# Altium PCB PM12_CFD.PcbDoc (part 9 of 12) (continued)
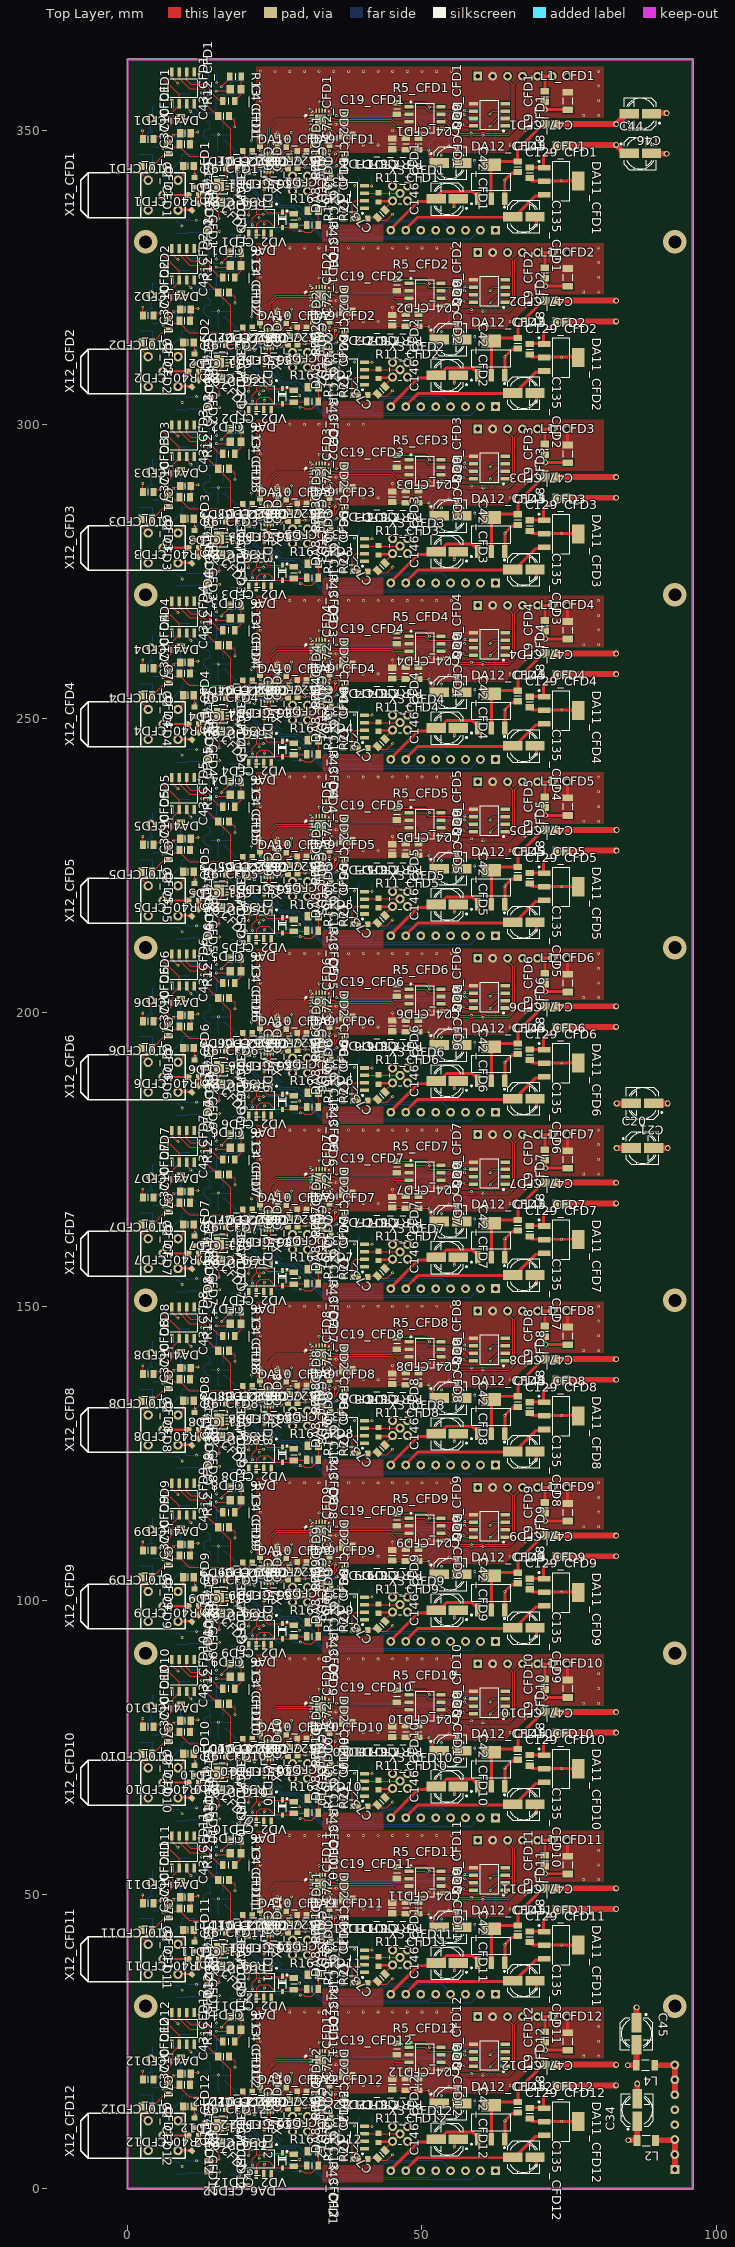
[diagram p0: Top Layer view]
## Nets (pads, with @x,y where several pads share a name; then routed paths per layer and width w, separated by ;. In a path a pad name is that pad's centre, name@x,y a point inside that pad or via, vN(x,y) a via of type N, cw(c..) or ccw(c..) an arc to the next point about the centre after c; other vN are vias at no path point) (continued)
  Bottom Layer w0.2: R1_CFD12.2@8.13,2.5 10.03,2.5 C41_CFD12.2@10.191,2.661 ; C41_CFD12.2@10.23,2.7 C41_CFD12.2@10.191,2.661 ; DA1_CFD12.2@13.45,2.6 12.5,2.6 12.5,2.661 C41_CFD12.2@10.191,2.661
NetC129_CFD1_2: C129_CFD1.2 DA11_CFD1.1 L8_CFD1.2 | length 6.9
  Top Layer w0.5: C129_CFD1.2@68.393,343.7 70.67,343.7 70.67,345.57 L8_CFD1.2@72.6,347.5
NetC129_CFD2_2: C129_CFD2.2 DA11_CFD2.1 L8_CFD2.2 | length 6.9
  Top Layer w0.5: C129_CFD2.2@68.423,313.7 70.7,313.7 70.7,315.57 L8_CFD2.2@72.63,317.5
NetC129_CFD3_2: C129_CFD3.2 DA11_CFD3.1 L8_CFD3.2 | length 6.9
  Top Layer w0.5: C129_CFD3.2@68.423,283.7 70.7,283.7 70.7,285.57 L8_CFD3.2@72.63,287.5
NetC129_CFD4_2: C129_CFD4.2 DA11_CFD4.1 L8_CFD4.2 | length 6.9
  Top Layer w0.5: C129_CFD4.2@68.423,253.7 70.7,253.7 70.7,255.57 L8_CFD4.2@72.63,257.5
NetC129_CFD5_2: C129_CFD5.2 DA11_CFD5.1 L8_CFD5.2 | length 6.9
  Top Layer w0.5: C129_CFD5.2@68.423,223.7 70.7,223.7 70.7,225.57 L8_CFD5.2@72.63,227.5
NetC129_CFD6_2: C129_CFD6.2 DA11_CFD6.1 L8_CFD6.2 | length 6.9
  Top Layer w0.5: C129_CFD6.2@68.423,193.7 70.7,193.7 70.7,195.57 L8_CFD6.2@72.63,197.5
NetC129_CFD7_2: C129_CFD7.2 DA11_CFD7.1 L8_CFD7.2 | length 6.9
  Top Layer w0.5: C129_CFD7.2@68.423,163.7 70.7,163.7 70.7,165.57 L8_CFD7.2@72.63,167.5
NetC129_CFD8_2: C129_CFD8.2 DA11_CFD8.1 L8_CFD8.2 | length 6.9
  Top Layer w0.5: C129_CFD8.2@68.423,133.7 70.7,133.7 70.7,135.57 L8_CFD8.2@72.63,137.5
NetC129_CFD9_2: C129_CFD9.2 DA11_CFD9.1 L8_CFD9.2 | length 6.9
  Top Layer w0.5: C129_CFD9.2@68.423,103.7 70.7,103.7 70.7,105.57 L8_CFD9.2@72.63,107.5
NetC129_CFD10_2: C129_CFD10.2 DA11_CFD10.1 L8_CFD10.2 | length 6.9
  Top Layer w0.5: C129_CFD10.2@68.423,73.7 70.7,73.7 70.7,75.57 L8_CFD10.2@72.63,77.5
NetC129_CFD11_2: C129_CFD11.2 DA11_CFD11.1 L8_CFD11.2 | length 6.9
  Top Layer w0.5: C129_CFD11.2@68.423,43.7 70.7,43.7 70.7,45.57 L8_CFD11.2@72.63,47.5
NetC129_CFD12_2: C129_CFD12.2 DA11_CFD12.1 L8_CFD12.2 | length 6.9
  Top Layer w0.5: C129_CFD12.2@68.423,13.7 70.7,13.7 70.7,15.57 L8_CFD12.2@72.63,17.5
NetC145_CFD1_2: C145_CFD1.2 DA12_CFD1.2 DA12_CFD1.4 L9_CFD1.2 | length 18.9
  Top Layer w0.5: DA12_CFD1.2@61.77,338.4 61.77,344.7 66.27,344.7 66.27,346.7 L9_CFD1.2@70.6,351.03
NetC145_CFD2_2: C145_CFD2.2 DA12_CFD2.2 DA12_CFD2.4 L9_CFD2.2 | length 18.9
  Top Layer w0.5: DA12_CFD2.2@61.8,308.4 61.8,314.7 66.3,314.7 66.3,316.7 L9_CFD2.2@70.63,321.03
NetC145_CFD3_2: C145_CFD3.2 DA12_CFD3.2 DA12_CFD3.4 L9_CFD3.2 | length 18.9
  Top Layer w0.5: DA12_CFD3.2@61.8,278.4 61.8,284.7 66.3,284.7 66.3,286.7 L9_CFD3.2@70.63,291.03
NetC145_CFD4_2: C145_CFD4.2 DA12_CFD4.2 DA12_CFD4.4 L9_CFD4.2 | length 18.9
  Top Layer w0.5: DA12_CFD4.2@61.8,248.4 61.8,254.7 66.3,254.7 66.3,256.7 L9_CFD4.2@70.63,261.03
NetC145_CFD5_2: C145_CFD5.2 DA12_CFD5.2 DA12_CFD5.4 L9_CFD5.2 | length 18.9
  Top Layer w0.5: DA12_CFD5.2@61.8,218.4 61.8,224.7 66.3,224.7 66.3,226.7 L9_CFD5.2@70.63,231.03
NetC145_CFD6_2: C145_CFD6.2 DA12_CFD6.2 DA12_CFD6.4 L9_CFD6.2 | length 18.9
  Top Layer w0.5: DA12_CFD6.2@61.8,188.4 61.8,194.7 66.3,194.7 66.3,196.7 L9_CFD6.2@70.63,201.03
NetC145_CFD7_2: C145_CFD7.2 DA12_CFD7.2 DA12_CFD7.4 L9_CFD7.2 | length 18.9
  Top Layer w0.5: DA12_CFD7.2@61.8,158.4 61.8,164.7 66.3,164.7 66.3,166.7 L9_CFD7.2@70.63,171.03
NetC145_CFD8_2: C145_CFD8.2 DA12_CFD8.2 DA12_CFD8.4 L9_CFD8.2 | length 18.9
  Top Layer w0.5: DA12_CFD8.2@61.8,128.4 61.8,134.7 66.3,134.7 66.3,136.7 L9_CFD8.2@70.63,141.03
NetC145_CFD9_2: C145_CFD9.2 DA12_CFD9.2 DA12_CFD9.4 L9_CFD9.2 | length 18.9
  Top Layer w0.5: DA12_CFD9.2@61.8,98.4 61.8,104.7 66.3,104.7 66.3,106.7 L9_CFD9.2@70.63,111.03
NetC145_CFD10_2: C145_CFD10.2 DA12_CFD10.2 DA12_CFD10.4 L9_CFD10.2 | length 18.9
  Top Layer w0.5: DA12_CFD10.2@61.8,68.4 61.8,74.7 66.3,74.7 66.3,76.7 L9_CFD10.2@70.63,81.03
NetC145_CFD11_2: C145_CFD11.2 DA12_CFD11.2 DA12_CFD11.4 L9_CFD11.2 | length 18.9
  Top Layer w0.5: DA12_CFD11.2@61.8,38.4 61.8,44.7 66.3,44.7 66.3,46.7 L9_CFD11.2@70.63,51.03
NetC145_CFD12_2: C145_CFD12.2 DA12_CFD12.2 DA12_CFD12.4 L9_CFD12.2 | length 18.9
  Top Layer w0.5: DA12_CFD12.2@61.8,8.4 61.8,14.7 66.3,14.7 66.3,16.7 L9_CFD12.2@70.63,21.03
NetDA2_CFD1_8: DA2_CFD1.8 R8_CFD1.1 R50_CFD1.2 | length 7.5
  Bottom Layer w0.15: R50_CFD1.2@5.97,342.05 R50_CFD1.2@6.12,342.05
  Bottom Layer w0.2: R50_CFD1.2@6.12,342.05 9.17,345.1 9.17,345.9 R8_CFD1.1@11.37,345.9
NetDA2_CFD2_8: DA2_CFD2.8 R8_CFD2.1 R50_CFD2.2 | length 7.5
  Bottom Layer w0.15: R50_CFD2.2@6,312.05 R50_CFD2.2@6.15,312.05
  Bottom Layer w0.2: R50_CFD2.2@6.15,312.05 9.2,315.1 9.2,315.9 R8_CFD2.1@11.4,315.9
NetDA2_CFD3_8: DA2_CFD3.8 R8_CFD3.1 R50_CFD3.2 | length 7.5
  Bottom Layer w0.15: R50_CFD3.2@6,282.05 R50_CFD3.2@6.15,282.05
  Bottom Layer w0.2: R50_CFD3.2@6.15,282.05 9.2,285.1 9.2,285.9 R8_CFD3.1@11.4,285.9
NetDA2_CFD4_8: DA2_CFD4.8 R8_CFD4.1 R50_CFD4.2 | length 7.5
  Bottom Layer w0.15: R50_CFD4.2@6,252.05 R50_CFD4.2@6.15,252.05
  Bottom Layer w0.2: R50_CFD4.2@6.15,252.05 9.2,255.1 9.2,255.9 R8_CFD4.1@11.4,255.9
NetDA2_CFD5_8: DA2_CFD5.8 R8_CFD5.1 R50_CFD5.2 | length 7.5
  Bottom Layer w0.15: R50_CFD5.2@6,222.05 R50_CFD5.2@6.15,222.05
  Bottom Layer w0.2: R50_CFD5.2@6.15,222.05 9.2,225.1 9.2,225.9 R8_CFD5.1@11.4,225.9
NetDA2_CFD6_8: DA2_CFD6.8 R8_CFD6.1 R50_CFD6.2 | length 7.5
  Bottom Layer w0.15: R50_CFD6.2@6,192.05 R50_CFD6.2@6.15,192.05
  Bottom Layer w0.2: R50_CFD6.2@6.15,192.05 9.2,195.1 9.2,195.9 R8_CFD6.1@11.4,195.9
NetDA2_CFD7_8: DA2_CFD7.8 R8_CFD7.1 R50_CFD7.2 | length 7.5
  Bottom Layer w0.15: R50_CFD7.2@6,162.05 R50_CFD7.2@6.15,162.05
  Bottom Layer w0.2: R50_CFD7.2@6.15,162.05 9.2,165.1 9.2,165.9 R8_CFD7.1@11.4,165.9
NetDA2_CFD8_8: DA2_CFD8.8 R8_CFD8.1 R50_CFD8.2 | length 7.5
  Bottom Layer w0.15: R50_CFD8.2@6,132.05 R50_CFD8.2@6.15,132.05
  Bottom Layer w0.2: R50_CFD8.2@6.15,132.05 9.2,135.1 9.2,135.9 R8_CFD8.1@11.4,135.9
NetDA2_CFD9_8: DA2_CFD9.8 R8_CFD9.1 R50_CFD9.2 | length 7.5
  Bottom Layer w0.15: R50_CFD9.2@6,102.05 R50_CFD9.2@6.15,102.05
  Bottom Layer w0.2: R50_CFD9.2@6.15,102.05 9.2,105.1 9.2,105.9 R8_CFD9.1@11.4,105.9
NetDA2_CFD10_8: DA2_CFD10.8 R8_CFD10.1 R50_CFD10.2 | length 7.5
  Bottom Layer w0.15: R50_CFD10.2@6,72.05 R50_CFD10.2@6.15,72.05
  Bottom Layer w0.2: R50_CFD10.2@6.15,72.05 9.2,75.1 9.2,75.9 R8_CFD10.1@11.4,75.9
NetDA2_CFD11_8: DA2_CFD11.8 R8_CFD11.1 R50_CFD11.2 | length 7.5
  Bottom Layer w0.15: R50_CFD11.2@6,42.05 R50_CFD11.2@6.15,42.05
  Bottom Layer w0.2: R50_CFD11.2@6.15,42.05 9.2,45.1 9.2,45.9 R8_CFD11.1@11.4,45.9
NetDA2_CFD12_8: DA2_CFD12.8 R8_CFD12.1 R50_CFD12.2 | length 7.5
  Bottom Layer w0.15: R50_CFD12.2@6,12.05 R50_CFD12.2@6.15,12.05
  Bottom Layer w0.2: R50_CFD12.2@6.15,12.05 9.2,15.1 9.2,15.9 R8_CFD12.1@11.4,15.9
NetDA4_CFD1_6: DA4_CFD1.6 R10_CFD1.1 R15_CFD1.2 | length 15
  Top Layer w0.2: v1(5.57,358.6) 6.155,358.6 8.7,356.055 8.7,354.7 8.7,354.25 7.67,353.22 7.67,351.314 6.87,350.514 R10_CFD1.1@6.87,347.9
  Bottom Layer w0.2: v1(5.57,358.6) 6.07,358.6 R15_CFD1.2@7.056,357.614
NetDA4_CFD2_6: DA4_CFD2.6 R10_CFD2.1 R15_CFD2.2 | length 15
  Top Layer w0.2: v1(5.6,328.6) 6.185,328.6 8.73,326.055 8.73,324.7 8.73,324.25 7.7,323.22 7.7,321.314 6.9,320.514 R10_CFD2.1@6.9,317.9
  Bottom Layer w0.2: v1(5.6,328.6) 6.1,328.6 R15_CFD2.2@7.086,327.614
NetDA4_CFD3_6: DA4_CFD3.6 R10_CFD3.1 R15_CFD3.2 | length 15
  Top Layer w0.2: v1(5.6,298.6) 6.185,298.6 8.73,296.055 8.73,294.7 8.73,294.25 7.7,293.22 7.7,291.314 6.9,290.514 R10_CFD3.1@6.9,287.9
  Bottom Layer w0.2: v1(5.6,298.6) 6.1,298.6 R15_CFD3.2@7.086,297.614
NetDA4_CFD4_6: DA4_CFD4.6 R10_CFD4.1 R15_CFD4.2 | length 15
  Top Layer w0.2: v1(5.6,268.6) 6.185,268.6 8.73,266.055 8.73,264.7 8.73,264.25 7.7,263.22 7.7,261.314 6.9,260.514 R10_CFD4.1@6.9,257.9
  Bottom Layer w0.2: v1(5.6,268.6) 6.1,268.6 R15_CFD4.2@7.086,267.614
NetDA4_CFD5_6: DA4_CFD5.6 R10_CFD5.1 R15_CFD5.2 | length 15
  Top Layer w0.2: v1(5.6,238.6) 6.185,238.6 8.73,236.055 8.73,234.7 8.73,234.25 7.7,233.22 7.7,231.314 6.9,230.514 R10_CFD5.1@6.9,227.9
  Bottom Layer w0.2: v1(5.6,238.6) 6.1,238.6 R15_CFD5.2@7.086,237.614
NetDA4_CFD6_6: DA4_CFD6.6 R10_CFD6.1 R15_CFD6.2 | length 15
  Top Layer w0.2: v1(5.6,208.6) 6.185,208.6 8.73,206.055 8.73,204.7 8.73,204.25 7.7,203.22 7.7,201.314 6.9,200.514 R10_CFD6.1@6.9,197.9
  Bottom Layer w0.2: v1(5.6,208.6) 6.1,208.6 R15_CFD6.2@7.086,207.614
NetDA4_CFD7_6: DA4_CFD7.6 R10_CFD7.1 R15_CFD7.2 | length 15
  Top Layer w0.2: v1(5.6,178.6) 6.185,178.6 8.73,176.055 8.73,174.7 8.73,174.25 7.7,173.22 7.7,171.314 6.9,170.514 R10_CFD7.1@6.9,167.9
  Bottom Layer w0.2: v1(5.6,178.6) 6.1,178.6 R15_CFD7.2@7.086,177.614
NetDA4_CFD8_6: DA4_CFD8.6 R10_CFD8.1 R15_CFD8.2 | length 15
  Top Layer w0.2: v1(5.6,148.6) 6.185,148.6 8.73,146.055 8.73,144.7 8.73,144.25 7.7,143.22 7.7,141.314 6.9,140.514 R10_CFD8.1@6.9,137.9
  Bottom Layer w0.2: v1(5.6,148.6) 6.1,148.6 R15_CFD8.2@7.086,147.614
NetDA4_CFD9_6: DA4_CFD9.6 R10_CFD9.1 R15_CFD9.2 | length 15
  Top Layer w0.2: v1(5.6,118.6) 6.185,118.6 8.73,116.055 8.73,114.7 8.73,114.25 7.7,113.22 7.7,111.314 6.9,110.514 R10_CFD9.1@6.9,107.9
  Bottom Layer w0.2: v1(5.6,118.6) 6.1,118.6 R15_CFD9.2@7.086,117.614
NetDA4_CFD10_6: DA4_CFD10.6 R10_CFD10.1 R15_CFD10.2 | length 15
  Top Layer w0.2: v1(5.6,88.6) 6.185,88.6 8.73,86.055 8.73,84.7 8.73,84.25 7.7,83.22 7.7,81.314 6.9,80.514 R10_CFD10.1@6.9,77.9
  Bottom Layer w0.2: v1(5.6,88.6) 6.1,88.6 R15_CFD10.2@7.086,87.614
NetDA4_CFD11_6: DA4_CFD11.6 R10_CFD11.1 R15_CFD11.2 | length 15
  Top Layer w0.2: v1(5.6,58.6) 6.185,58.6 8.73,56.055 8.73,54.7 8.73,54.25 7.7,53.22 7.7,51.314 6.9,50.514 R10_CFD11.1@6.9,47.9
  Bottom Layer w0.2: v1(5.6,58.6) 6.1,58.6 R15_CFD11.2@7.086,57.614
NetDA4_CFD12_6: DA4_CFD12.6 R10_CFD12.1 R15_CFD12.2 | length 15
  Top Layer w0.2: v1(5.6,28.6) 6.185,28.6 8.73,26.055 8.73,24.7 8.73,24.25 7.7,23.22 7.7,21.314 6.9,20.514 R10_CFD12.1@6.9,17.9
  Bottom Layer w0.2: v1(5.6,28.6) 6.1,28.6 R15_CFD12.2@7.086,27.614
NetDA6_CFD1_2: DA6_CFD1.2 R16_CFD1.2 R39_CFD1.2 VD2_CFD1.1 | length 8.8
  Top Layer w0.2: R39_CFD1.2@23.17,340.05 23.17,336.5 23.27,336.4 23.29,336.4 23.69,336 26.295,336 27.97,336 R16_CFD1.2@28.17,335.8
NetDA6_CFD2_2: DA6_CFD2.2 R16_CFD2.2 R39_CFD2.2 VD2_CFD2.1 | length 8.8
  Top Layer w0.2: R39_CFD2.2@23.2,310.05 23.2,306.5 23.3,306.4 23.32,306.4 23.72,306 26.325,306 28,306 R16_CFD2.2@28.2,305.8
NetDA6_CFD3_2: DA6_CFD3.2 R16_CFD3.2 R39_CFD3.2 VD2_CFD3.1 | length 8.8
  Top Layer w0.2: R39_CFD3.2@23.2,280.05 23.2,276.5 23.3,276.4 23.32,276.4 23.72,276 26.325,276 28,276 R16_CFD3.2@28.2,275.8
NetDA6_CFD4_2: DA6_CFD4.2 R16_CFD4.2 R39_CFD4.2 VD2_CFD4.1 | length 8.8
  Top Layer w0.2: R39_CFD4.2@23.2,250.05 23.2,246.5 23.3,246.4 23.32,246.4 23.72,246 26.325,246 28,246 R16_CFD4.2@28.2,245.8
NetDA6_CFD5_2: DA6_CFD5.2 R16_CFD5.2 R39_CFD5.2 VD2_CFD5.1 | length 8.8
  Top Layer w0.2: R39_CFD5.2@23.2,220.05 23.2,216.5 23.3,216.4 23.32,216.4 23.72,216 26.325,216 28,216 R16_CFD5.2@28.2,215.8
NetDA6_CFD6_2: DA6_CFD6.2 R16_CFD6.2 R39_CFD6.2 VD2_CFD6.1 | length 8.8
  Top Layer w0.2: R39_CFD6.2@23.2,190.05 23.2,186.5 23.3,186.4 23.32,186.4 23.72,186 26.325,186 28,186 R16_CFD6.2@28.2,185.8
NetDA6_CFD7_2: DA6_CFD7.2 R16_CFD7.2 R39_CFD7.2 VD2_CFD7.1 | length 8.8
  Top Layer w0.2: R39_CFD7.2@23.2,160.05 23.2,156.5 23.3,156.4 23.32,156.4 23.72,156 26.325,156 28,156 R16_CFD7.2@28.2,155.8
NetDA6_CFD8_2: DA6_CFD8.2 R16_CFD8.2 R39_CFD8.2 VD2_CFD8.1 | length 8.8
  Top Layer w0.2: R39_CFD8.2@23.2,130.05 23.2,126.5 23.3,126.4 23.32,126.4 23.72,126 26.325,126 28,126 R16_CFD8.2@28.2,125.8
NetDA6_CFD9_2: DA6_CFD9.2 R16_CFD9.2 R39_CFD9.2 VD2_CFD9.1 | length 8.8
  Top Layer w0.2: R39_CFD9.2@23.2,100.05 23.2,96.5 23.3,96.4 23.32,96.4 23.72,96 26.325,96 28,96 R16_CFD9.2@28.2,95.8
NetDA6_CFD10_2: DA6_CFD10.2 R16_CFD10.2 R39_CFD10.2 VD2_CFD10.1 | length 8.8
  Top Layer w0.2: R39_CFD10.2@23.2,70.05 23.2,66.5 23.3,66.4 23.32,66.4 23.72,66 26.325,66 28,66 R16_CFD10.2@28.2,65.8
NetDA6_CFD11_2: DA6_CFD11.2 R16_CFD11.2 R39_CFD11.2 VD2_CFD11.1 | length 8.8
  Top Layer w0.2: R39_CFD11.2@23.2,40.05 23.2,36.5 23.3,36.4 23.32,36.4 23.72,36 26.325,36 28,36 R16_CFD11.2@28.2,35.8
NetDA6_CFD12_2: DA6_CFD12.2 R16_CFD12.2 R39_CFD12.2 VD2_CFD12.1 | length 8.8
  Top Layer w0.2: R39_CFD12.2@23.2,10.05 23.2,6.5 23.3,6.4 23.32,6.4 23.72,6 26.325,6 28,6 R16_CFD12.2@28.2,5.8
NetDA7_CFD1_2: DA7_CFD1.2 R6_CFD1.2 | length 1.2
  Top Layer w0.15: R6_CFD1.2@12.97,341.2 13.37,341.2 13.62,340.95 DA7_CFD1.2@14.07,340.95
NetDA7_CFD1_3: DA7_CFD1.3 R6_CFD1.1 R40_CFD1.2 | length 2.8
  Top Layer w0.15: R40_CFD1.2@11.37,340.3 12.97,340.3 13.37,340.3 13.52,340.45 DA7_CFD1.3@14.07,340.45
NetDA7_CFD1_4: DA7_CFD1.4 R2_CFD1.2 R4_CFD1.2 | length 4.1
  Top Layer w0.15: R2_CFD1.2@11.97,339 13.12,339 DA7_CFD1.4@14.07,339.95
  Top Layer w0.4: R4_CFD1.2@11.97,337.415 R2_CFD1.2@11.97,339
NetDA7_CFD2_2: DA7_CFD2.2 R6_CFD2.2 | length 1.2
  Top Layer w0.15: R6_CFD2.2@13,311.2 13.4,311.2 13.65,310.95 DA7_CFD2.2@14.1,310.95
NetDA7_CFD2_3: DA7_CFD2.3 R6_CFD2.1 R40_CFD2.2 | length 2.8
  Top Layer w0.15: R40_CFD2.2@11.4,310.3 13,310.3 13.4,310.3 13.55,310.45 DA7_CFD2.3@14.1,310.45
NetDA7_CFD2_4: DA7_CFD2.4 R2_CFD2.2 R4_CFD2.2 | length 4.1
  Top Layer w0.15: R2_CFD2.2@12,309 13.15,309 DA7_CFD2.4@14.1,309.95
  Top Layer w0.4: R4_CFD2.2@12,307.415 R2_CFD2.2@12,309
NetDA7_CFD3_2: DA7_CFD3.2 R6_CFD3.2 | length 1.2
  Top Layer w0.15: R6_CFD3.2@13,281.2 13.4,281.2 13.65,280.95 DA7_CFD3.2@14.1,280.95
NetDA7_CFD3_3: DA7_CFD3.3 R6_CFD3.1 R40_CFD3.2 | length 2.8
  Top Layer w0.15: R40_CFD3.2@11.4,280.3 13,280.3 13.4,280.3 13.55,280.45 DA7_CFD3.3@14.1,280.45
NetDA7_CFD3_4: DA7_CFD3.4 R2_CFD3.2 R4_CFD3.2 | length 4.1
  Top Layer w0.15: R2_CFD3.2@12,279 13.15,279 DA7_CFD3.4@14.1,279.95
  Top Layer w0.4: R4_CFD3.2@12,277.415 R2_CFD3.2@12,279
NetDA7_CFD4_2: DA7_CFD4.2 R6_CFD4.2 | length 1.2
  Top Layer w0.15: R6_CFD4.2@13,251.2 13.4,251.2 13.65,250.95 DA7_CFD4.2@14.1,250.95
NetDA7_CFD4_3: DA7_CFD4.3 R6_CFD4.1 R40_CFD4.2 | length 2.8
  Top Layer w0.15: R40_CFD4.2@11.4,250.3 13,250.3 13.4,250.3 13.55,250.45 DA7_CFD4.3@14.1,250.45
NetDA7_CFD4_4: DA7_CFD4.4 R2_CFD4.2 R4_CFD4.2 | length 4.1
  Top Layer w0.15: R2_CFD4.2@12,249 13.15,249 DA7_CFD4.4@14.1,249.95
  Top Layer w0.4: R4_CFD4.2@12,247.415 R2_CFD4.2@12,249
NetDA7_CFD5_2: DA7_CFD5.2 R6_CFD5.2 | length 1.2
  Top Layer w0.15: R6_CFD5.2@13,221.2 13.4,221.2 13.65,220.95 DA7_CFD5.2@14.1,220.95
NetDA7_CFD5_3: DA7_CFD5.3 R6_CFD5.1 R40_CFD5.2 | length 2.8
  Top Layer w0.15: R40_CFD5.2@11.4,220.3 13,220.3 13.4,220.3 13.55,220.45 DA7_CFD5.3@14.1,220.45
NetDA7_CFD5_4: DA7_CFD5.4 R2_CFD5.2 R4_CFD5.2 | length 4.1
  Top Layer w0.15: R2_CFD5.2@12,219 13.15,219 DA7_CFD5.4@14.1,219.95
  Top Layer w0.4: R4_CFD5.2@12,217.415 R2_CFD5.2@12,219
NetDA7_CFD6_2: DA7_CFD6.2 R6_CFD6.2 | length 1.2
  Top Layer w0.15: R6_CFD6.2@13,191.2 13.4,191.2 13.65,190.95 DA7_CFD6.2@14.1,190.95
NetDA7_CFD6_3: DA7_CFD6.3 R6_CFD6.1 R40_CFD6.2 | length 2.8
  Top Layer w0.15: R40_CFD6.2@11.4,190.3 13,190.3 13.4,190.3 13.55,190.45 DA7_CFD6.3@14.1,190.45
NetDA7_CFD6_4: DA7_CFD6.4 R2_CFD6.2 R4_CFD6.2 | length 4.1
  Top Layer w0.15: R2_CFD6.2@12,189 13.15,189 DA7_CFD6.4@14.1,189.95
  Top Layer w0.4: R4_CFD6.2@12,187.415 R2_CFD6.2@12,189
NetDA7_CFD7_2: DA7_CFD7.2 R6_CFD7.2 | length 1.2
  Top Layer w0.15: R6_CFD7.2@13,161.2 13.4,161.2 13.65,160.95 DA7_CFD7.2@14.1,160.95
NetDA7_CFD7_3: DA7_CFD7.3 R6_CFD7.1 R40_CFD7.2 | length 2.8
  Top Layer w0.15: R40_CFD7.2@11.4,160.3 13,160.3 13.4,160.3 13.55,160.45 DA7_CFD7.3@14.1,160.45
NetDA7_CFD7_4: DA7_CFD7.4 R2_CFD7.2 R4_CFD7.2 | length 4.1
  Top Layer w0.15: R2_CFD7.2@12,159 13.15,159 DA7_CFD7.4@14.1,159.95
  Top Layer w0.4: R4_CFD7.2@12,157.415 R2_CFD7.2@12,159
NetDA7_CFD8_2: DA7_CFD8.2 R6_CFD8.2 | length 1.2
  Top Layer w0.15: R6_CFD8.2@13,131.2 13.4,131.2 13.65,130.95 DA7_CFD8.2@14.1,130.95
NetDA7_CFD8_3: DA7_CFD8.3 R6_CFD8.1 R40_CFD8.2 | length 2.8
  Top Layer w0.15: R40_CFD8.2@11.4,130.3 13,130.3 13.4,130.3 13.55,130.45 DA7_CFD8.3@14.1,130.45
NetDA7_CFD8_4: DA7_CFD8.4 R2_CFD8.2 R4_CFD8.2 | length 4.1
  Top Layer w0.15: R2_CFD8.2@12,129 13.15,129 DA7_CFD8.4@14.1,129.95
  Top Layer w0.4: R4_CFD8.2@12,127.415 R2_CFD8.2@12,129
NetDA7_CFD9_2: DA7_CFD9.2 R6_CFD9.2 | length 1.2
  Top Layer w0.15: R6_CFD9.2@13,101.2 13.4,101.2 13.65,100.95 DA7_CFD9.2@14.1,100.95
NetDA7_CFD9_3: DA7_CFD9.3 R6_CFD9.1 R40_CFD9.2 | length 2.8
  Top Layer w0.15: R40_CFD9.2@11.4,100.3 13,100.3 13.4,100.3 13.55,100.45 DA7_CFD9.3@14.1,100.45
NetDA7_CFD9_4: DA7_CFD9.4 R2_CFD9.2 R4_CFD9.2 | length 4.1
  Top Layer w0.15: R2_CFD9.2@12,99 13.15,99 DA7_CFD9.4@14.1,99.95
  Top Layer w0.4: R4_CFD9.2@12,97.415 R2_CFD9.2@12,99
NetDA7_CFD10_2: DA7_CFD10.2 R6_CFD10.2 | length 1.2
  Top Layer w0.15: R6_CFD10.2@13,71.2 13.4,71.2 13.65,70.95 DA7_CFD10.2@14.1,70.95
NetDA7_CFD10_3: DA7_CFD10.3 R6_CFD10.1 R40_CFD10.2 | length 2.8
  Top Layer w0.15: R40_CFD10.2@11.4,70.3 13,70.3 13.4,70.3 13.55,70.45 DA7_CFD10.3@14.1,70.45
NetDA7_CFD10_4: DA7_CFD10.4 R2_CFD10.2 R4_CFD10.2 | length 4.1
  Top Layer w0.15: R2_CFD10.2@12,69 13.15,69 DA7_CFD10.4@14.1,69.95
  Top Layer w0.4: R4_CFD10.2@12,67.415 R2_CFD10.2@12,69
NetDA7_CFD11_2: DA7_CFD11.2 R6_CFD11.2 | length 1.2
  Top Layer w0.15: R6_CFD11.2@13,41.2 13.4,41.2 13.65,40.95 DA7_CFD11.2@14.1,40.95
NetDA7_CFD11_3: DA7_CFD11.3 R6_CFD11.1 R40_CFD11.2 | length 2.8
  Top Layer w0.15: R40_CFD11.2@11.4,40.3 13,40.3 13.4,40.3 13.55,40.45 DA7_CFD11.3@14.1,40.45
NetDA7_CFD11_4: DA7_CFD11.4 R2_CFD11.2 R4_CFD11.2 | length 4.1
  Top Layer w0.15: R2_CFD11.2@12,39 13.15,39 DA7_CFD11.4@14.1,39.95
  Top Layer w0.4: R4_CFD11.2@12,37.415 R2_CFD11.2@12,39
NetDA7_CFD12_2: DA7_CFD12.2 R6_CFD12.2 | length 1.2
  Top Layer w0.15: R6_CFD12.2@13,11.2 13.4,11.2 13.65,10.95 DA7_CFD12.2@14.1,10.95
NetDA7_CFD12_3: DA7_CFD12.3 R6_CFD12.1 R40_CFD12.2 | length 2.8
  Top Layer w0.15: R40_CFD12.2@11.4,10.3 13,10.3 13.4,10.3 13.55,10.45 DA7_CFD12.3@14.1,10.45
NetDA7_CFD12_4: DA7_CFD12.4 R2_CFD12.2 R4_CFD12.2 | length 4.1
  Top Layer w0.15: R2_CFD12.2@12,9 13.15,9 DA7_CFD12.4@14.1,9.95
  Top Layer w0.4: R4_CFD12.2@12,7.415 R2_CFD12.2@12,9
NetDA8_CFD1_2: DA8_CFD1.2 R19_CFD1.1 R21_CFD1.2 | length 5.6
  Top Layer w0.15: R21_CFD1.2@39.17,335 38.12,335 38.12,337.45 38.67,338 DA8_CFD1.2@39.97,338
NetDA8_CFD2_2: DA8_CFD2.2 R19_CFD2.1 R21_CFD2.2 | length 5.6
  Top Layer w0.15: R21_CFD2.2@39.2,305 38.15,305 38.15,307.45 38.7,308 DA8_CFD2.2@40,308
NetDA8_CFD3_2: DA8_CFD3.2 R19_CFD3.1 R21_CFD3.2 | length 5.6
  Top Layer w0.15: R21_CFD3.2@39.2,275 38.15,275 38.15,277.45 38.7,278 DA8_CFD3.2@40,278
NetDA8_CFD4_2: DA8_CFD4.2 R19_CFD4.1 R21_CFD4.2 | length 5.6
  Top Layer w0.15: R21_CFD4.2@39.2,245 38.15,245 38.15,247.45 38.7,248 DA8_CFD4.2@40,248
NetDA8_CFD5_2: DA8_CFD5.2 R19_CFD5.1 R21_CFD5.2 | length 5.6
  Top Layer w0.15: R21_CFD5.2@39.2,215 38.15,215 38.15,217.45 38.7,218 DA8_CFD5.2@40,218
NetDA8_CFD6_2: DA8_CFD6.2 R19_CFD6.1 R21_CFD6.2 | length 5.6
  Top Layer w0.15: R21_CFD6.2@39.2,185 38.15,185 38.15,187.45 38.7,188 DA8_CFD6.2@40,188
NetDA8_CFD7_2: DA8_CFD7.2 R19_CFD7.1 R21_CFD7.2 | length 5.6
  Top Layer w0.15: R21_CFD7.2@39.2,155 38.15,155 38.15,157.45 38.7,158 DA8_CFD7.2@40,158
NetDA8_CFD8_2: DA8_CFD8.2 R19_CFD8.1 R21_CFD8.2 | length 5.6
  Top Layer w0.15: R21_CFD8.2@39.2,125 38.15,125 38.15,127.45 38.7,128 DA8_CFD8.2@40,128
NetDA8_CFD9_2: DA8_CFD9.2 R19_CFD9.1 R21_CFD9.2 | length 5.6
  Top Layer w0.15: R21_CFD9.2@39.2,95 38.15,95 38.15,97.45 38.7,98 DA8_CFD9.2@40,98
NetDA8_CFD10_2: DA8_CFD10.2 R19_CFD10.1 R21_CFD10.2 | length 5.6
  Top Layer w0.15: R21_CFD10.2@39.2,65 38.15,65 38.15,67.45 38.7,68 DA8_CFD10.2@40,68
NetDA8_CFD11_2: DA8_CFD11.2 R19_CFD11.1 R21_CFD11.2 | length 5.6
  Top Layer w0.15: R21_CFD11.2@39.2,35 38.15,35 38.15,37.45 38.7,38 DA8_CFD11.2@40,38
NetDA8_CFD12_2: DA8_CFD12.2 R19_CFD12.1 R21_CFD12.2 | length 5.6
  Top Layer w0.15: R21_CFD12.2@39.2,5 38.15,5 38.15,7.45 38.7,8 DA8_CFD12.2@40,8
NetDA9_CFD1_4: DA9_CFD1.4 R46_CFD1.2 | length 1.3
  Top Layer w0.2: DA9_CFD1.4@33.57,343 34.27,342.3 R46_CFD1.2@34.57,342.3
NetDA9_CFD1_14: DA9_CFD1.14 R22_CFD1.2 | length 3.4
  Top Layer w0.2: v1(30.27,345) 30.52,344.75 DA9_CFD1.14@31.32,344.75
  Bottom Layer w0.2: R22_CFD1.2@28.702,344.005 28.77,344.073 28.77,344.5 29.27,345 v1(30.27,345)
NetDA9_CFD2_4: DA9_CFD2.4 R46_CFD2.2 | length 1.3
  Top Layer w0.2: DA9_CFD2.4@33.6,313 34.3,312.3 R46_CFD2.2@34.6,312.3
NetDA9_CFD2_14: DA9_CFD2.14 R22_CFD2.2 | length 2.9
  Top Layer w0.2: v1(30.3,315) 30.55,314.75 DA9_CFD2.14@31.35,314.75
  Bottom Layer w0.2: 28.8,314.5 29.3,315 v1(30.3,315)
NetDA9_CFD3_4: DA9_CFD3.4 R46_CFD3.2 | length 1.3
  Top Layer w0.2: DA9_CFD3.4@33.6,283 34.3,282.3 R46_CFD3.2@34.6,282.3
NetDA9_CFD3_14: DA9_CFD3.14 R22_CFD3.2 | length 2.9
  Top Layer w0.2: v1(30.3,285) 30.55,284.75 DA9_CFD3.14@31.35,284.75
  Bottom Layer w0.2: 28.8,284.5 29.3,285 v1(30.3,285)
NetDA9_CFD4_4: DA9_CFD4.4 R46_CFD4.2 | length 1.3
  Top Layer w0.2: DA9_CFD4.4@33.6,253 34.3,252.3 R46_CFD4.2@34.6,252.3
NetDA9_CFD4_14: DA9_CFD4.14 R22_CFD4.2 | length 2.9
  Top Layer w0.2: v1(30.3,255) 30.55,254.75 DA9_CFD4.14@31.35,254.75
  Bottom Layer w0.2: 28.8,254.5 29.3,255 v1(30.3,255)
NetDA9_CFD5_4: DA9_CFD5.4 R46_CFD5.2 | length 1.3
  Top Layer w0.2: DA9_CFD5.4@33.6,223 34.3,222.3 R46_CFD5.2@34.6,222.3
NetDA9_CFD5_14: DA9_CFD5.14 R22_CFD5.2 | length 2.9
  Top Layer w0.2: v1(30.3,225) 30.55,224.75 DA9_CFD5.14@31.35,224.75
  Bottom Layer w0.2: 28.8,224.5 29.3,225 v1(30.3,225)
NetDA9_CFD6_4: DA9_CFD6.4 R46_CFD6.2 | length 1.3
  Top Layer w0.2: DA9_CFD6.4@33.6,193 34.3,192.3 R46_CFD6.2@34.6,192.3
NetDA9_CFD6_14: DA9_CFD6.14 R22_CFD6.2 | length 2.9
  Top Layer w0.2: v1(30.3,195) 30.55,194.75 DA9_CFD6.14@31.35,194.75
  Bottom Layer w0.2: 28.8,194.5 29.3,195 v1(30.3,195)
NetDA9_CFD7_4: DA9_CFD7.4 R46_CFD7.2 | length 1.3
  Top Layer w0.2: DA9_CFD7.4@33.6,163 34.3,162.3 R46_CFD7.2@34.6,162.3
NetDA9_CFD7_14: DA9_CFD7.14 R22_CFD7.2 | length 2.9
  Top Layer w0.2: v1(30.3,165) 30.55,164.75 DA9_CFD7.14@31.35,164.75
  Bottom Layer w0.2: 28.8,164.5 29.3,165 v1(30.3,165)
NetDA9_CFD8_4: DA9_CFD8.4 R46_CFD8.2 | length 1.3
  Top Layer w0.2: DA9_CFD8.4@33.6,133 34.3,132.3 R46_CFD8.2@34.6,132.3
NetDA9_CFD8_14: DA9_CFD8.14 R22_CFD8.2 | length 2.9
  Top Layer w0.2: v1(30.3,135) 30.55,134.75 DA9_CFD8.14@31.35,134.75
  Bottom Layer w0.2: 28.8,134.5 29.3,135 v1(30.3,135)
NetDA9_CFD9_4: DA9_CFD9.4 R46_CFD9.2 | length 1.3
  Top Layer w0.2: DA9_CFD9.4@33.6,103 34.3,102.3 R46_CFD9.2@34.6,102.3
NetDA9_CFD9_14: DA9_CFD9.14 R22_CFD9.2 | length 2.9
  Top Layer w0.2: v1(30.3,105) 30.55,104.75 DA9_CFD9.14@31.35,104.75
  Bottom Layer w0.2: 28.8,104.5 29.3,105 v1(30.3,105)
NetDA9_CFD10_4: DA9_CFD10.4 R46_CFD10.2 | length 1.3
  Top Layer w0.2: DA9_CFD10.4@33.6,73 34.3,72.3 R46_CFD10.2@34.6,72.3
NetDA9_CFD10_14: DA9_CFD10.14 R22_CFD10.2 | length 2.9
  Top Layer w0.2: v1(30.3,75) 30.55,74.75 DA9_CFD10.14@31.35,74.75
  Bottom Layer w0.2: 28.8,74.5 29.3,75 v1(30.3,75)
NetDA9_CFD11_4: DA9_CFD11.4 R46_CFD11.2 | length 1.3
  Top Layer w0.2: DA9_CFD11.4@33.6,43 34.3,42.3 R46_CFD11.2@34.6,42.3
NetDA9_CFD11_14: DA9_CFD11.14 R22_CFD11.2 | length 2.9
  Top Layer w0.2: v1(30.3,45) 30.55,44.75 DA9_CFD11.14@31.35,44.75
  Bottom Layer w0.2: 28.8,44.5 29.3,45 v1(30.3,45)
NetDA9_CFD12_4: DA9_CFD12.4 R46_CFD12.2 | length 1.3
  Top Layer w0.2: DA9_CFD12.4@33.6,13 34.3,12.3 R46_CFD12.2@34.6,12.3
NetDA9_CFD12_14: DA9_CFD12.14 R22_CFD12.2 | length 2.9
  Top Layer w0.2: v1(30.3,15) 30.55,14.75 DA9_CFD12.14@31.35,14.75
  Bottom Layer w0.2: 28.8,14.5 29.3,15 v1(30.3,15)
NetDA10_CFD1_14: DA10_CFD1.14 R23_CFD1.2 | length 3.3
  Top Layer w0.2: v1(21.28,345.18) 21.71,344.75 DA10_CFD1.14@22.47,344.75
  Bottom Layer w0.2: R23_CFD1.2@19.5,344.841 20.941,344.841 v1(21.28,345.18)
NetDA10_CFD2_14: DA10_CFD2.14 R23_CFD2.2 | length 3.3
  Top Layer w0.2: v1(21.31,315.18) 21.74,314.75 DA10_CFD2.14@22.5,314.75
  Bottom Layer w0.2: R23_CFD2.2@19.53,314.841 20.971,314.841 v1(21.31,315.18)
NetDA10_CFD3_14: DA10_CFD3.14 R23_CFD3.2 | length 3.3
  Top Layer w0.2: v1(21.31,285.18) 21.74,284.75 DA10_CFD3.14@22.5,284.75
  Bottom Layer w0.2: R23_CFD3.2@19.53,284.841 20.971,284.841 v1(21.31,285.18)
NetDA10_CFD4_14: DA10_CFD4.14 R23_CFD4.2 | length 3.3
  Top Layer w0.2: v1(21.31,255.18) 21.74,254.75 DA10_CFD4.14@22.5,254.75
  Bottom Layer w0.2: R23_CFD4.2@19.53,254.841 20.971,254.841 v1(21.31,255.18)
NetDA10_CFD5_14: DA10_CFD5.14 R23_CFD5.2 | length 3.3
  Top Layer w0.2: v1(21.31,225.18) 21.74,224.75 DA10_CFD5.14@22.5,224.75
  Bottom Layer w0.2: R23_CFD5.2@19.53,224.841 20.971,224.841 v1(21.31,225.18)
NetDA10_CFD6_14: DA10_CFD6.14 R23_CFD6.2 | length 3.3
  Top Layer w0.2: v1(21.31,195.18) 21.74,194.75 DA10_CFD6.14@22.5,194.75
  Bottom Layer w0.2: R23_CFD6.2@19.53,194.841 20.971,194.841 v1(21.31,195.18)
NetDA10_CFD7_14: DA10_CFD7.14 R23_CFD7.2 | length 3.3
  Top Layer w0.2: v1(21.31,165.18) 21.74,164.75 DA10_CFD7.14@22.5,164.75
  Bottom Layer w0.2: R23_CFD7.2@19.53,164.841 20.971,164.841 v1(21.31,165.18)
NetDA10_CFD8_14: DA10_CFD8.14 R23_CFD8.2 | length 3.3
  Top Layer w0.2: v1(21.31,135.18) 21.74,134.75 DA10_CFD8.14@22.5,134.75
  Bottom Layer w0.2: R23_CFD8.2@19.53,134.841 20.971,134.841 v1(21.31,135.18)
NetDA10_CFD9_14: DA10_CFD9.14 R23_CFD9.2 | length 3.3
  Top Layer w0.2: v1(21.31,105.18) 21.74,104.75 DA10_CFD9.14@22.5,104.75
  Bottom Layer w0.2: R23_CFD9.2@19.53,104.841 20.971,104.841 v1(21.31,105.18)
NetDA10_CFD10_14: DA10_CFD10.14 R23_CFD10.2 | length 3.3
  Top Layer w0.2: v1(21.31,75.18) 21.74,74.75 DA10_CFD10.14@22.5,74.75
  Bottom Layer w0.2: R23_CFD10.2@19.53,74.841 20.971,74.841 v1(21.31,75.18)
NetDA10_CFD11_14: DA10_CFD11.14 R23_CFD11.2 | length 3.3
  Top Layer w0.2: v1(21.31,45.18) 21.74,44.75 DA10_CFD11.14@22.5,44.75
  Bottom Layer w0.2: R23_CFD11.2@19.53,44.841 20.971,44.841 v1(21.31,45.18)
NetDA10_CFD12_14: DA10_CFD12.14 R23_CFD12.2 | length 3.3
  Top Layer w0.2: v1(21.31,15.18) 21.74,14.75 DA10_CFD12.14@22.5,14.75
  Bottom Layer w0.2: R23_CFD12.2@19.53,14.841 20.971,14.841 v1(21.31,15.18)
NetDA13_CFD1_1: DA13_CFD1.1 R28_CFD1.1 R29_CFD1.2 | length 10.5
  Bottom Layer w0.25: R29_CFD1.2@51.27,344.4 51.27,345.685 51.255,345.7 52.17,346.615 54.815,346.615 55.265,347.065 56.205,347.065 57.084,346.185 DA13_CFD1.1@57.084,343.8
NetDA13_CFD2_1: DA13_CFD2.1 R28_CFD2.1 R29_CFD2.2 | length 10.5
  Bottom Layer w0.25: R29_CFD2.2@51.3,314.4 51.3,315.685 51.285,315.7 52.2,316.615 54.845,316.615 55.295,317.065 56.235,317.065 57.114,316.185 DA13_CFD2.1@57.114,313.8